# KiCad board sr99-stm32-hotswap.kicad_pcb (continued)
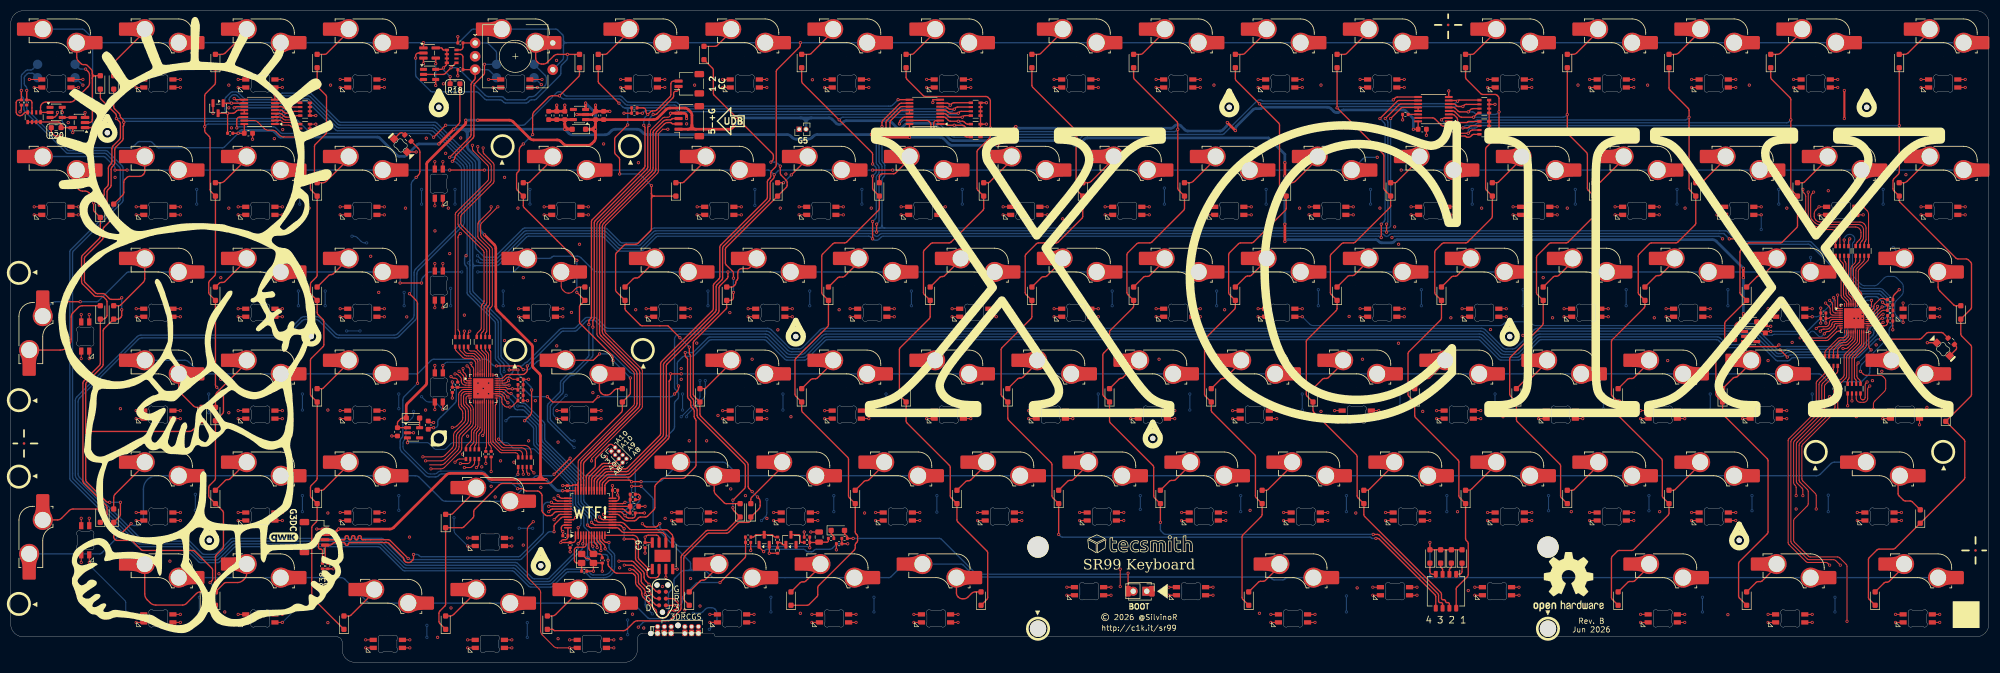
[diagram p0: board, top side]
## Routing (per net, layer and track width the routed paths; a pad name or vN(x,y) marks a point on that pad's centre or on a via; arc(x,y) is an arc through that point) (continued)
  Bottom w0.2: v1(163.49,47.16) v1(163.49,50.16) ; v1(177.74,88.41) v1(177.74,85.66) ; v1(161.24,12.16) v1(161.24,9.41) ; v1(172.99,28.08) v1(172.99,31.16) ; v1(168.24,69.41) v1(168.24,66.66)
LED13: length 230.3
  Top w0.2: W65.4 v1(141.23,45.56) ; W12.4 v1(141.23,107.47) ; U10.3 85.13,52.21 arc(84.77,52.36) 84.62,52.72 84.62,53.32 arc(84.58,53.51) 84.47,53.68 v1(83.74,54.41) ; W48.4 v1(145.99,64.61) ; W81.4 v1(150.75,26.51) ; W97.4 v1(138.84,7.46) ; W30.4 v1(155.51,83.66)
  In1.Cu w0.4: v1(106.99,59.91) 105.33,61.57 arc(105.17,61.68) 104.97,61.72 87.97,61.72 arc(87.78,61.68) 87.61,61.57 83.89,57.84 arc(83.78,57.68) 83.74,57.48 v1(83.74,54.41) ; v1(149.24,62.16) 149.24,60.21 arc(149.16,59.83) 148.94,59.5 148.08,58.63 arc(147.75,58.41) 147.36,58.34 145.98,58.34 arc(145.6,58.41) 145.27,58.63 141.74,62.16 arc(141.41,62.38) 141.02,62.46 116.96,62.46 arc(116.57,62.38) 116.24,62.16 v1(113.99,59.91)
  In2.Cu w0.4: v1(144.24,47.16) 144.24,46.36 ; 144.24,46.36 144.24,44.76 ; 144.24,46.36 arc(144,45.79) 143.44,45.56 ; v1(141.99,9.41) 141.99,9.08 arc(141.91,8.69) 141.69,8.36 141.08,7.76 arc(140.75,7.53) 140.36,7.46 v1(138.84,7.46) ; v1(141.23,45.56) 143.44,45.56 ; 143.44,45.56 arc(144,45.32) 144.24,44.76 ; v1(149.24,66.66) 149.24,65.41 ; v1(141.23,107.47) 143.05,105.65 arc(143.71,105.21) 144.48,105.05 146.51,105.05 arc(147.28,104.9) 147.94,104.46 158.69,93.71 arc(158.91,93.38) 158.99,92.99 v1(158.99,88.41) ; v1(144.24,50.16) 144.24,62.44 arc(144.31,62.83) 144.54,63.16 v1(145.99,64.61) 148.44,64.61 ; 149.24,63.81 v1(149.24,62.16) ; 149.24,63.81 149.24,65.41 ; 149.24,63.81 arc(149,64.37) 148.44,64.61 ; 148.44,64.61 arc(149,64.84) 149.24,65.41 ; v1(158.99,85.66) 158.99,85.33 arc(158.91,84.94) 158.69,84.61 158.03,83.96 arc(157.7,83.73) 157.31,83.66 v1(155.51,83.66) 149.54,77.68 arc(149.31,77.35) 149.24,76.96 v1(149.24,69.41) ; v1(141.99,12.16) 141.99,16.24 arc(142.06,16.63) 142.29,16.96 148.19,22.86 arc(148.52,23.09) 148.91,23.16 150.24,23.16 150.45,23.38 arc(150.67,23.71) 150.75,24.1 v1(150.75,26.51) 152.41,26.51 arc(152.8,26.58) 153.13,26.81 153.44,27.11 arc(153.66,27.44) 153.74,27.83 v1(153.74,28.16) ; 144.24,44.76 144.24,44.33 arc(144.31,43.94) 144.54,43.61 146.94,41.21 arc(147.27,40.99) 147.66,40.91 149.32,40.91 arc(149.71,40.84) 150.04,40.61 153.44,37.21 arc(153.66,36.88) 153.74,36.49 v1(153.74,31.16) ; v1(106.99,59.91) v1(113.99,59.91)
  Bottom w0.2: v1(144.24,50.16) v1(144.24,47.16) ; v1(149.24,69.41) v1(149.24,66.66) ; v1(153.74,31.16) v1(153.74,28.16) ; v1(141.99,9.41) v1(141.99,12.16) ; v1(158.99,88.41) v1(158.99,85.66)
LED14: length 217
  Top w0.2: 84.16,52.57 84.16,52.93 arc(84.12,53.13) 84.01,53.29 83.54,53.76 arc(83.38,53.87) 83.18,53.91 v1(82.99,53.91) ; 84.16,52.57 84.16,52.75 ; 84.16,52.57 arc(84.39,52.04) 84.93,51.81 U10.4 ; W31.4 v1(136.46,83.66) ; W98.4 v1(112.65,2.69) ; W49.4 v1(126.94,64.61) ; W13.4 v1(122.17,107.47)
  Top w0.254: W82.4 v1(131.7,26.51)
  In1.Cu w0.4: v1(106.99,61.16) 105.84,62.31 arc(105.67,62.42) 105.48,62.46 87.65,62.46 arc(87.45,62.42) 87.29,62.31 83.14,58.16 arc(83.03,58) 82.99,57.8 v1(82.99,53.91) ; v1(124.42,19.23) 122.95,19.23 arc(122.56,19.15) 122.23,18.93 117.01,13.71 arc(116.68,13.49) 116.29,13.41 v1(115.24,13.41)
  In2.Cu w0.4: v1(112.65,2.69) 113.6,2.69 arc(113.99,2.77) 114.32,2.99 114.94,3.61 arc(115.16,3.94) 115.24,4.33 v1(115.24,5.16) ; v1(125.49,50.16) 125.94,50.61 arc(126.16,50.94) 126.24,51.33 126.24,54.99 arc(126.16,55.38) 125.94,55.71 125.29,56.36 arc(125.06,56.69) 124.99,57.08 124.99,58.12 arc(125.06,58.51) 125.29,58.84 126.64,60.19 arc(126.86,60.52) 126.94,60.91 126.94,61.91 ; v1(122.17,107.47) 132.18,97.46 arc(132.51,97.24) 132.9,97.16 135.57,97.16 arc(135.96,97.09) 136.29,96.86 139.44,93.71 arc(139.66,93.38) 139.74,92.99 139.74,89.83 arc(139.66,89.44) 139.44,89.11 139.29,88.96 arc(139.11,88.72) 139.01,88.44 139.01,88.42 v1(139,88.41) ; 126.14,62.83 114.82,62.83 arc(114.44,62.75) 114.11,62.53 112.39,60.81 arc(112.22,60.7) 112.03,60.66 107.7,60.66 arc(107.5,60.7) 107.34,60.81 v1(106.99,61.16) ; 126.14,62.83 arc(126.7,62.59) 126.94,62.03 126.94,61.91 ; 126.14,62.83 arc(126.7,63.06) 126.94,63.63 ; v1(115.24,13.41) v1(115.24,7.91) ; 126.94,61.91 126.94,63.63 ; 126.94,63.63 126.94,63.81 arc(127.17,64.37) 127.74,64.61 ; 127.74,64.61 128.51,64.61 arc(128.9,64.68) 129.23,64.91 129.94,65.61 arc(130.16,65.94) 130.24,66.33 v1(130.24,66.66) ; 127.74,64.61 v1(126.94,64.61) 126.94,63.92 126.94,63.91 ; v1(140.24,26.51) v1(131.7,26.51) v1(124.42,19.23) ; v1(138.99,85.41) 138.99,84.83 arc(138.91,84.44) 138.69,84.11 138.53,83.96 arc(138.2,83.73) 137.81,83.66 v1(136.46,83.66) 130.54,77.73 arc(130.31,77.4) 130.24,77.01 v1(130.24,69.41) ; v1(141.24,30.41) 138.14,33.51 arc(138.03,33.68) 137.99,33.87 137.99,38.96 arc(137.95,39.16) 137.84,39.32 129.65,47.51 arc(129.48,47.62) 129.29,47.66 126.2,47.66 arc(126,47.62) 125.84,47.51 v1(125.49,47.16)
  Bottom w0.2: v1(138.99,85.41) 138.99,88.4 v1(139,88.41) ; v1(115.24,7.91) v1(115.24,5.16) ; v1(125.49,47.16) v1(125.49,50.16) ; v1(141.24,30.41) 141.24,27.93 arc(141.16,27.54) 140.94,27.21 v1(140.24,26.51) ; v1(130.24,69.41) v1(130.24,66.66)
LED15: length 188
  Top w0.2: W99.4 v1(93.6,2.69) ; W83.4 v1(93.6,21.75) ; W32.4 v1(107.89,83.66) ; W66.4 v1(110.27,45.56) ; W14.4 v1(98.36,107.47) ; W50.4 v1(103.12,64.61) ; U10.6 84.59,51.01 arc(84.4,50.97) 84.23,50.86 83.82,50.45 arc(83.71,50.28) 83.67,50.09 83.67,48.2 arc(83.74,47.81) 83.96,47.48 84.14,47.3 arc(84.36,46.97) 84.44,46.58 84.44,45.71 arc(84.36,45.32) 84.14,44.99 83.36,44.21 arc(83.03,43.99) 82.64,43.91 v1(82.49,43.91)
  In2.Cu w0.4: v1(82.49,43.91) 86.19,40.21 arc(86.52,39.99) 86.91,39.91 92.38,39.91 ; 96.99,81.09 96.99,81.08 arc(96.91,80.69) 96.69,80.36 92.29,75.96 arc(92.06,75.63) 91.99,75.24 v1(91.99,69.41) ; 96.99,81.09 96.99,82.64 ; 96.99,81.09 arc(97.21,81.62) 97.74,81.84 ; 98.44,62.78 95.79,62.78 arc(95.4,62.85) 95.08,63.07 92.29,65.86 arc(92.06,66.19) 91.99,66.58 v1(91.99,66.66) ; 98.44,62.78 100.04,62.78 ; 98.44,62.78 arc(99,62.54) 99.24,61.98 ; 93.98,39.91 96.41,39.91 arc(96.71,39.97) 96.97,40.15 100.34,43.52 arc(100.6,43.69) 100.91,43.75 ; 93.98,39.91 92.38,39.91 ; 93.98,39.91 arc(93.42,39.68) 93.18,39.11 ; 100.91,43.75 108.04,43.75 arc(108.43,43.83) 108.76,44.05 v1(110.27,45.56) ; 100.91,43.75 arc(100.6,43.81) 100.34,43.98 99.54,44.79 arc(99.31,45.12) 99.24,45.51 99.24,61.98 ; v1(96.49,4.66) 96.49,4.08 arc(96.41,3.69) 96.19,3.36 95.82,2.99 arc(95.49,2.77) 95.1,2.69 v1(93.6,2.69) ; 92.38,39.91 arc(92.95,39.68) 93.18,39.11 ; v1(107.89,83.66) 106.07,81.84 97.79,81.84 arc(97.22,82.07) 96.99,82.64 ; v1(96.49,7.41) 96.49,14.24 arc(96.41,14.63) 96.19,14.96 93.9,17.25 arc(93.68,17.58) 93.6,17.97 v1(93.6,21.75) 96.44,24.58 arc(96.66,24.91) 96.74,25.3 96.74,31.68 arc(96.68,31.99) 96.5,32.25 93.42,35.33 arc(93.25,35.59) 93.18,35.9 93.18,39.11 ; v1(96.99,88.41) 96.99,90.99 arc(97.06,91.38) 97.29,91.71 98.06,92.49 arc(98.29,92.82) 98.36,93.21 v1(98.36,107.47) ; 100.04,62.78 100.87,62.78 arc(101.26,62.85) 101.59,63.07 v1(103.12,64.61) ; 100.04,62.78 arc(99.47,62.54) 99.24,61.98 ; 96.99,82.64 v1(96.99,85.66) ; 100.01,44.32 arc(100.24,43.75) 100.01,43.18
  Bottom w0.2: v1(96.49,4.66) v1(96.49,7.41) ; v1(96.99,88.41) v1(96.99,85.66) ; v1(91.99,69.41) v1(91.99,66.66)
LED16: length 173.9
  Top w0.2: v1(76.99,38.41) 80.4,38.41 arc(80.79,38.49) 81.12,38.71 82.43,40.02 arc(82.65,40.35) 82.73,40.74 82.73,42.43 arc(82.8,42.82) 83.02,43.15 84.66,44.78 arc(84.88,45.11) 84.95,45.5 84.95,46.79 arc(84.88,47.18) 84.66,47.51 84.27,47.89 arc(84.16,48.06) 84.12,48.25 84.12,49.9 arc(84.16,50.1) 84.27,50.26 84.47,50.46 arc(84.64,50.57) 84.83,50.61 U10.7 ; W100.4 v1(74.55,2.69) ; W67.4 v1(69.79,45.56) ; W15.4 v1(69.79,107.47) ; W84.4 v1(69.79,26.51) ; W33.4 v1(69.79,83.66)
  In2.Cu w0.4: 72.49,44.76 72.49,39.21 ; 72.49,44.76 72.49,46.36 ; 72.49,44.76 arc(72.25,45.32) 71.69,45.56 ; 72.49,39.21 72.49,37.61 ; 72.49,39.21 arc(72.72,38.65) 73.29,38.41 ; v1(72.49,50.16) 72.49,55.49 arc(72.41,55.88) 72.19,56.21 66.75,61.65 arc(66.42,61.87) 66.03,61.95 v1(65.24,61.95) ; 71.69,45.56 v1(69.79,45.56) ; 71.69,45.56 arc(72.25,45.79) 72.49,46.36 ; 72.49,37.61 v1(72.49,31.16) ; 72.49,37.61 arc(72.72,38.18) 73.29,38.41 ; v1(74.55,2.69) 75.85,2.69 arc(76.24,2.77) 76.57,2.99 77.44,3.86 arc(77.66,4.19) 77.74,4.58 v1(77.74,4.66) ; v1(62.74,61.95) 61.12,61.95 arc(60.73,62.03) 60.4,62.25 59.04,63.61 arc(58.81,63.94) 58.74,64.33 v1(58.74,66.66) ; v1(77.74,6.91) 77.74,13.24 arc(77.66,13.63) 77.44,13.96 72.79,18.61 arc(72.56,18.94) 72.49,19.33 72.49,25.71 ; 72.49,27.31 72.49,25.71 ; 72.49,27.31 v1(72.49,28.41) ; 72.49,27.31 arc(72.25,26.74) 71.69,26.51 ; 72.49,25.71 arc(72.25,26.27) 71.69,26.51 ; v1(76.74,88.41) 76.74,100.1 arc(76.66,100.49) 76.44,100.82 v1(69.79,107.47) ; v1(72.49,47.41) 72.49,46.36 ; v1(76.74,85.66) 76.74,85.58 arc(76.66,85.19) 76.44,84.86 75.53,83.96 arc(75.2,83.73) 74.81,83.66 v1(69.79,83.66) 69.79,83.65 64.85,78.71 arc(64.52,78.49) 64.13,78.41 62.41,78.41 arc(62.02,78.34) 61.69,78.11 59.04,75.46 arc(58.81,75.13) 58.74,74.74 v1(58.74,69.41) ; v1(76.99,38.41) 73.29,38.41 ; v1(69.79,26.51) 71.69,26.51
  Bottom w0.2: v1(65.24,61.95) v1(62.74,61.95) ; v1(58.74,69.41) v1(58.74,66.66) ; v1(77.74,6.91) v1(77.74,4.66) ; v1(72.49,31.16) v1(72.49,28.41) ; v1(76.74,85.66) v1(76.74,88.41) ; v1(72.49,50.16) v1(72.49,47.41)
LED17: length 200.4
  Top w0.2: W68.4 v1(50.74,45.56) ; W34.4 v1(50.74,83.66) ; W101.4 v1(50.74,7.46) ; W16.4 v1(50.74,107.47) ; W85.4 v1(50.74,26.51) ; W51.4 v1(69.79,64.61) ; U10.8 85.09,50.21 arc(84.74,50.06) 84.59,49.7 84.59,48.43 arc(84.63,48.24) 84.74,48.08 85.18,47.64 arc(85.4,47.31) 85.47,46.92 85.47,45.28 arc(85.4,44.89) 85.18,44.56 83.54,42.92 arc(83.31,42.59) 83.24,42.2 83.24,40.51 arc(83.16,40.13) 82.94,39.8 81.1,37.96 arc(80.77,37.74) 80.39,37.66 v1(77.49,37.66)
  In1.Cu w0.4: v1(77.49,37.66) 77.08,37.66 arc(76.69,37.74) 76.36,37.96 74.45,39.87 arc(74.12,40.09) 73.73,40.16 72.23,40.16 arc(71.84,40.24) 71.51,40.46 68.85,43.12 arc(68.53,43.34) 68.14,43.42 67.6,43.42 67.6,43.41 57.16,43.41 arc(56.77,43.34) 56.44,43.11 v1(55.74,42.41)
  In2.Cu w0.4: v1(54.49,47.16) 54.49,46.36 ; 54.49,46.36 54.49,44.76 ; 54.49,46.36 arc(54.25,45.79) 53.69,45.56 ; 54.49,43.21 54.49,41.61 ; 54.49,43.21 54.49,44.76 ; 54.49,43.21 arc(54.72,42.65) 55.29,42.41 ; 54.49,41.61 v1(54.49,31.16) ; 54.49,41.61 arc(54.72,42.18) 55.29,42.41 ; v1(53.59,10.31) 54.19,10.91 arc(54.41,11.24) 54.49,11.63 54.49,25.71 ; v1(53.99,85.66) 53.99,84.46 ; 53.99,84.46 53.99,82.86 ; 53.99,84.46 arc(53.75,83.89) 53.19,83.66 ; v1(50.74,26.51) 53.69,26.51 ; 53.69,26.51 arc(54.25,26.74) 54.49,27.31 ; 53.69,26.51 arc(54.25,26.27) 54.49,25.71 ; v1(73.49,66.66) 73.49,66.33 arc(73.41,65.94) 73.19,65.61 72.48,64.91 arc(72.15,64.68) 71.76,64.61 v1(69.79,64.61) 68.26,63.08 arc(67.93,62.86) 67.54,62.78 65.28,62.78 arc(64.89,62.7) 64.56,62.48 54.79,52.71 arc(54.56,52.38) 54.49,51.99 v1(54.49,50.16) ; v1(66.49,78.41) 69.57,78.41 arc(69.96,78.34) 70.29,78.11 73.19,75.21 arc(73.41,74.88) 73.49,74.49 v1(73.49,69.16) ; v1(50.74,107.47) 50.74,106.33 arc(50.66,105.94) 50.44,105.61 50.04,105.21 arc(49.81,104.88) 49.74,104.49 49.74,99.58 arc(49.81,99.19) 50.04,98.86 53.69,95.21 arc(53.91,94.88) 53.99,94.49 v1(53.99,88.41) ; 53.19,83.66 v1(50.74,83.66) ; 53.19,83.66 arc(53.75,83.42) 53.99,82.86 ; 54.49,44.76 arc(54.25,45.32) 53.69,45.56 ; 53.99,82.86 53.99,81.58 arc(54.06,81.19) 54.29,80.86 55.19,79.96 arc(55.52,79.74) 55.91,79.66 v1(63.74,79.66) ; 54.49,25.71 54.49,27.31 ; v1(54.49,28.16) 54.49,27.31 ; v1(50.74,45.56) 53.69,45.56 ; v1(55.74,42.41) 55.29,42.41
  Bottom w0.2: v1(54.49,31.16) v1(54.49,28.16) ; v1(63.74,79.66) 64.07,79.66 arc(64.46,79.59) 64.79,79.36 65.44,78.71 arc(65.77,78.49) 66.16,78.41 v1(66.49,78.41) ; v1(53.59,10.31) v1(50.74,7.46) ; v1(73.49,69.16) v1(73.49,66.66) ; v1(54.49,50.16) v1(54.49,47.16) ; v1(53.99,88.41) v1(53.99,85.66)
LED18: length 219.4
  Top w0.2: W17.4 v1(31.69,107.47) ; 78.24,36.91 80.35,36.91 arc(80.74,36.99) 81.07,37.21 83.44,39.58 arc(83.66,39.91) 83.74,40.3 83.74,41.98 arc(83.81,42.37) 84.04,42.7 85.64,44.3 arc(85.86,44.63) 85.94,45.02 85.94,47.1 arc(85.86,47.49) 85.64,47.82 85.2,48.26 arc(85.09,48.43) 85.05,48.62 85.05,49.41 arc(85.17,49.7) 85.45,49.81 U10.9 ; W86.4 v1(31.69,26.51) ; W35.4 v1(31.69,83.66) ; W52.4 v1(50.74,64.61) ; W102.4 v1(31.69,7.46) ; W69.4 v1(31.69,45.56)
  In1.Cu w0.4: v1(77.99,36.91) 76.79,36.91 arc(76.4,36.99) 76.07,37.21 74.16,39.12 arc(73.83,39.34) 73.44,39.42 71.94,39.42 arc(71.55,39.5) 71.22,39.72 68.55,42.39 arc(68.22,42.61) 67.83,42.69 57.8,42.69 arc(57.41,42.61) 57.08,42.39 56.47,41.78 arc(56.14,41.56) 55.75,41.48 55.75,41.48 arc(55.36,41.56) 55.03,41.78 53.69,43.11 arc(53.36,43.34) 52.97,43.41 39.91,43.41 arc(39.52,43.34) 39.19,43.11 v1(38.99,42.91)
  In2.Cu w0.4: v1(38.99,42.91) 37.79,42.91 ; 37.79,42.91 arc(37.22,43.15) 36.99,43.71 ; 37.79,42.91 arc(37.22,42.68) 36.99,42.11 ; v1(53.74,66.66) 53.74,66.08 arc(53.66,65.69) 53.44,65.36 52.98,64.91 arc(52.65,64.68) 52.26,64.61 v1(50.74,64.61) 46.09,59.96 arc(45.76,59.74) 45.37,59.66 43.41,59.66 arc(43.02,59.59) 42.69,59.36 37.29,53.96 arc(37.06,53.63) 36.99,53.24 v1(36.99,50.16) ; 34.49,27.31 34.49,25.71 ; 34.49,27.31 v1(34.49,28.41) ; 34.49,27.31 arc(34.25,26.74) 33.69,26.51 ; 34.49,25.71 34.49,22.08 arc(34.56,21.69) 34.79,21.36 34.94,21.21 arc(35.16,20.88) 35.24,20.49 v1(35.24,12.16) ; 34.49,25.71 arc(34.25,26.27) 33.69,26.51 ; v1(31.69,107.47) 34.44,104.72 arc(34.66,104.39) 34.74,104 v1(34.74,88.41) ; v1(34.74,85.66) 34.74,84.46 ; 34.74,84.46 34.74,82.86 ; 34.74,84.46 arc(34.5,83.89) 33.94,83.66 ; 36.99,45.86 v1(36.99,46.66) 36.19,46.66 ; 36.99,45.86 36.99,43.71 ; 36.99,45.86 arc(36.75,46.43) 36.19,46.66 ; 36.19,46.66 33.21,46.66 arc(32.82,46.59) 32.49,46.36 v1(31.69,45.56) ; v1(31.69,26.51) 33.69,26.51 ; v1(53.74,69.41) 53.74,74.49 arc(53.66,74.88) 53.44,75.21 50.54,78.11 arc(50.21,78.34) 49.82,78.41 37.41,78.41 arc(37.02,78.49) 36.69,78.71 35.04,80.36 arc(34.81,80.69) 34.74,81.08 34.74,82.86 ; 36.99,43.71 36.99,42.11 ; 36.99,42.11 36.99,35.58 arc(36.91,35.19) 36.69,34.86 34.79,32.96 arc(34.57,32.63) 34.49,32.24 v1(34.49,31.41) ; v1(35.24,9.41) 35.24,8.83 arc(35.16,8.44) 34.94,8.11 34.54,7.71 arc(34.21,7.49) 33.82,7.41 31.73,7.41 v1(31.69,7.46) ; 34.49,31.08 34.49,31.07 ; 34.74,82.86 arc(34.5,83.42) 33.94,83.66 ; v1(31.69,83.66) 33.94,83.66
  Bottom w0.2: v1(53.74,69.41) v1(53.74,66.66) ; v1(34.49,28.41) 34.49,31.03 34.49,31.03 v1(34.49,31.41) ; v1(36.99,50.16) v1(36.99,46.66) ; v1(35.24,12.16) v1(35.24,9.41) ; v1(34.74,88.41) v1(34.74,85.66)
LED19: length 220.8
  Top w0.2: U10.10 85.79,48.53 arc(85.83,48.34) 85.94,48.17 86.1,48.01 arc(86.32,47.68) 86.4,47.29 86.4,44.76 arc(86.32,44.37) 86.1,44.04 84.54,42.47 arc(84.31,42.14) 84.24,41.76 84.24,40.08 arc(84.16,39.69) 83.94,39.36 81.04,36.46 arc(80.71,36.24) 80.32,36.16 v1(78.49,36.16) ; W70.4 v1(14.67,65.02) ; W103.4 v1(14.67,26.92) ; W53.4 v1(31.69,64.61) ; W18.4 v1(12.64,107.47) ; W36.4 v1(12.64,83.66)
  In1.Cu w0.4: v1(78.49,36.16) 76.51,36.16 arc(76.12,36.24) 75.79,36.46 73.83,38.41 arc(73.5,38.63) 73.12,38.71 71.62,38.71 arc(71.24,38.79) 70.91,39.01 68.29,41.62 arc(67.96,41.84) 67.58,41.92 58.14,41.92 arc(57.75,41.84) 57.42,41.62 56.81,41 arc(56.48,40.78) 56.09,40.71 55.41,40.71 arc(55.02,40.78) 54.69,41 53.31,42.39 arc(52.98,42.61) 52.59,42.69 40.93,42.69 arc(40.54,42.61) 40.21,42.39 40.04,42.21 arc(39.71,41.99) 39.32,41.91 v1(14.99,41.91)
  In2.Cu w0.4: v1(14.67,26.92) 14.67,29.02 arc(14.63,29.21) 14.52,29.38 10.39,33.51 arc(10.28,33.68) 10.24,33.87 10.24,41.11 ; 10.24,42.71 10.24,58.35 arc(10.28,58.54) 10.39,58.71 11.52,59.84 arc(11.63,60) 11.67,60.19 11.67,65.36 ; 10.24,42.71 10.24,41.11 ; 10.24,42.71 arc(10.47,42.15) 11.04,41.91 ; 10.24,41.11 arc(10.47,41.68) 11.04,41.91 ; 12.64,83.04 12.64,81.44 ; 12.64,83.04 v1(12.64,83.66) ; 12.64,83.04 arc(12.4,82.48) 11.84,82.24 ; 12.64,81.44 12.64,70.72 arc(12.6,70.53) 12.49,70.36 11.81,69.69 arc(11.7,69.52) 11.67,69.33 11.67,66.96 ; 12.64,81.44 arc(12.4,82.01) 11.84,82.24 ; v1(12.64,107.47) 12.64,97.98 arc(12.56,97.59) 12.34,97.26 6.12,91.05 arc(5.9,90.72) 5.83,90.33 5.83,88.28 arc(5.75,87.89) 5.53,87.56 3.54,85.57 arc(3.31,85.24) 3.24,84.85 3.24,83.97 arc(3.31,83.58) 3.54,83.25 4.24,82.54 arc(4.57,82.32) 4.96,82.24 11.84,82.24 ; v1(31.69,64.61) 30.02,62.94 arc(29.85,62.83) 29.66,62.79 17.12,62.79 arc(16.93,62.83) 16.76,62.94 v1(14.67,65.02) 13.68,66.01 arc(13.52,66.12) 13.32,66.16 12.47,66.16 ; 11.67,66.96 11.67,65.36 ; 11.67,66.96 arc(11.9,66.4) 12.47,66.16 ; 11.67,65.36 arc(11.9,65.93) 12.47,66.16 ; v1(14.99,41.91) 11.04,41.91
LED_CL: length 292.4
  Top w0.254: R39.2 360.97,61.51 arc(360.8,61.62) 360.61,61.66 358.2,61.66 arc(358,61.62) 357.84,61.51 356.89,60.56 arc(356.72,60.45) 356.53,60.41 v1(349.24,60.41) ; v1(125.99,57.91) 125.99,57.31 arc(126.01,57.21) 126.06,57.13 126.35,56.84 arc(126.41,56.76) 126.42,56.66 126.42,49.68 arc(126.46,49.48) 126.57,49.32 126.87,49.02 arc(126.98,48.85) 127.02,48.66 127.02,48.02 arc(127.06,47.82) 127.17,47.66 127.51,47.32 arc(127.62,47.15) 127.66,46.96 127.66,45.94 arc(127.7,45.75) 127.81,45.58 127.85,45.54 arc(127.96,45.38) 128,45.18 128,36.86 arc(127.96,36.67) 127.85,36.5 125.89,34.55 arc(125.73,34.44) 125.53,34.4 121.87,34.4 arc(121.67,34.36) 121.51,34.25 120.47,33.21 arc(120.36,33.04) 120.32,32.85 120.32,28.91 arc(120.28,28.71) 120.17,28.55 118.93,27.31 arc(118.77,27.2) 118.57,27.16 117.6,27.16 arc(117.41,27.12) 117.24,27.01 116.83,26.6 arc(116.67,26.49) 116.47,26.45 115.14,26.45 arc(114.75,26.53) 114.42,26.75 113.65,27.51 arc(113.49,27.62) 113.29,27.66 U1.18
  Bottom w0.254: v1(349.24,60.41) 348.74,60.41 arc(348.55,60.37) 348.38,60.26 345.24,57.12 arc(345.08,57.01) 344.88,56.97 332.95,56.97 arc(332.76,56.93) 332.6,56.82 332.28,56.51 arc(332.12,56.4) 331.93,56.36 330.04,56.36 arc(329.85,56.4) 329.68,56.51 326.45,59.75 arc(326.28,59.86) 326.09,59.9 323.63,59.9 arc(323.43,59.86) 323.27,59.75 323.06,59.55 arc(322.9,59.44) 322.7,59.4 320.71,59.4 arc(320.52,59.44) 320.35,59.55 319.21,60.69 arc(319.04,60.8) 318.85,60.84 285.64,60.84 arc(285.45,60.8) 285.29,60.69 281.76,57.17 arc(281.6,57.06) 281.41,57.02 278.56,57.02 arc(278.36,57.06) 278.2,57.17 274.68,60.69 arc(274.51,60.8) 274.32,60.84 152.31,60.84 arc(152.12,60.8) 151.95,60.69 148.42,57.16 arc(148.25,57.05) 148.06,57.01 145.2,57.01 arc(145,57.05) 144.84,57.16 141.32,60.67 arc(141.16,60.78) 140.96,60.82 130.59,60.82 arc(130.39,60.78) 130.23,60.67 127.62,58.06 arc(127.45,57.95) 127.26,57.91 v1(125.99,57.91)
LED_NL: length 99.6
  Top w0.254: v1(75.99,52.16) 75.99,66.99 arc(75.91,67.38) 75.69,67.71 v1(74.49,68.91) ; U1.42 101.95,28.16 arc(101.75,28.12) 101.59,28.01 101.14,27.56 arc(100.97,27.45) 100.78,27.41 100.2,27.41 arc(100,27.45) 99.84,27.56 99.39,28.01 arc(99.28,28.18) 99.24,28.37 99.24,31.2 arc(99.2,31.4) 99.09,31.56 98.77,31.88 arc(98.61,31.99) 98.42,32.02 96.34,32.02 arc(96.15,32.06) 95.98,32.17 95.85,32.31 arc(95.68,32.42) 95.49,32.46 v1(94.67,32.46) ; R40.2 74.79,97.43 76.13,96.08 arc(76.35,95.75) 76.43,95.36 76.43,91.78 arc(76.35,91.39) 76.13,91.06 v1(75.74,90.66)
  Bottom w0.254: v1(94.67,32.46) 94.67,32.48 93.83,33.32 arc(93.5,33.54) 93.11,33.62 90.08,33.62 arc(89.69,33.7) 89.36,33.92 88.36,34.93 arc(88.03,35.15) 87.64,35.22 80.55,35.22 arc(80.26,35.17) 80.01,35 79.9,34.89 arc(79.65,34.72) 79.36,34.66 78.16,34.66 arc(77.77,34.74) 77.44,34.96 73.04,39.36 arc(72.81,39.69) 72.74,40.08 72.74,41.35 arc(72.8,41.64) 72.96,41.89 73.01,41.94 arc(73.18,42.19) 73.24,42.48 73.24,48.99 arc(73.31,49.38) 73.54,49.71 v1(75.99,52.16) ; v1(75.74,90.66) 75.12,90.05 arc(74.9,89.72) 74.83,89.33 74.83,69.46 arc(74.79,69.27) 74.68,69.1 v1(74.49,68.91)
LED_PWR_EN: length 348.9
  Top w0.2: U11.3 323.55,59.96 ; C38.2 94.73,51.88 R35.2 94.65,50.99 arc(94.49,51.1) 94.29,51.14 v1(93.69,51.14) 92.91,51.14 arc(92.82,51.16) 92.73,51.21 92.61,51.34 arc(92.52,51.39) 92.43,51.41 U10.26 ; U1.2 v1(105.99,25.16) ; v1(349.63,67.32) 349.98,66.96 arc(350.15,66.85) 350.34,66.81 C37.2 350.57,65.84 R33.2 349.77,65.81 arc(349.58,65.77) 349.41,65.66 348.41,64.66 arc(348.24,64.55) 348.05,64.51 U9.26 ; U12.3 74.1,41.1 74.1,41.1
  Top w0.254: v1(330.27,59.33) 330.1,59.17 arc(329.94,59.06) 329.74,59.02 323.85,59.02 U11.3 ; v1(124.74,51.66) 124.74,51.33 arc(124.66,50.94) 124.44,50.61 v1(123.99,50.16) ; v1(109.74,49.66) 108.74,48.66 101.24,48.66 v1(100.24,49.66)
  Bottom w0.2: v1(93.69,51.14) 93.11,51.14 arc(92.92,51.1) 92.76,50.99 91.94,50.17 arc(91.83,50.01) 91.79,49.81 91.79,41.46 ; v1(105.99,25.16) 106.38,25.55 arc(106.49,25.72) 106.53,25.91 106.53,26.77 arc(106.49,26.96) 106.38,27.13 104.61,28.89 arc(104.5,29.06) 104.46,29.25 104.46,32.96 arc(104.43,33.15) 104.32,33.32 97.87,39.76 arc(97.71,39.87) 97.51,39.91 94.2,39.91 arc(94,39.95) 93.84,40.06 92.99,40.91 arc(92.82,41.02) 92.63,41.06 92.19,41.06 ; v1(74.1,41.06) 77.78,41.06 arc(77.97,41.02) 78.14,40.91 79.09,39.96 arc(79.26,39.85) 79.45,39.81 80.93,39.81 arc(81.13,39.85) 81.29,39.96 82.25,40.91 arc(82.41,41.02) 82.61,41.06 91.39,41.06 ; 92.19,41.06 91.39,41.06 ; 92.19,41.06 arc(91.91,41.18) 91.79,41.46 ; 91.39,41.06 arc(91.67,41.18) 91.79,41.46
  Bottom w0.254: v1(109.74,49.66) 123.28,49.66 arc(123.47,49.7) 123.64,49.81 v1(123.99,50.16) ; v1(349.63,67.32) 348.72,68.22 arc(348.56,68.33) 348.36,68.37 346.73,68.37 arc(346.53,68.33) 346.37,68.22 342.71,64.57 arc(342.6,64.4) 342.56,64.21 342.56,61.33 arc(342.49,60.94) 342.27,60.61 340.98,59.33 arc(340.65,59.11) 340.26,59.03 330.78,59.03 arc(330.58,59.07) 330.42,59.18 v1(330.27,59.33) ; 323.84,59.02 v1(323.86,59.02) 323.82,58.98 arc(323.65,58.87) 323.46,58.83 320.55,58.83 arc(320.36,58.87) 320.2,58.98 318.99,60.18 arc(318.83,60.29) 318.64,60.32 285.86,60.32 arc(285.66,60.29) 285.5,60.18 281.98,56.65 arc(281.81,56.54) 281.62,56.5 278.34,56.5 arc(278.15,56.54) 277.98,56.65 274.45,60.18 arc(274.29,60.29) 274.09,60.33 152.53,60.33 arc(152.33,60.29) 152.17,60.18 148.63,56.64 arc(148.46,56.53) 148.27,56.49 144.98,56.49 arc(144.79,56.53) 144.62,56.64 141.11,60.16 arc(140.94,60.27) 140.75,60.31 130.81,60.31 arc(130.61,60.27) 130.45,60.16 127.66,57.37 arc(127.49,57.26) 127.3,57.22 125.83,57.22 arc(125.63,57.18) 125.47,57.07 124.66,56.27 arc(124.55,56.1) 124.51,55.91 124.51,52.1 arc(124.55,51.9) 124.66,51.74 v1(124.74,51.66) ; v1(93.69,51.14) 95.6,51.14 arc(95.8,51.1) 95.96,50.99 96.99,49.96 arc(97.32,49.74) 97.71,49.66 v1(100.24,49.66)
MATRIX_CS: length 381.1
  Top w0.254: v1(160.99,82.41) v1(160.99,79.16) ; v1(95.99,45.16) 97,46.17 arc(97.22,46.5) 97.3,46.89 v1(97.3,50.91) ; v1(110.23,20.89) 110.23,21.7 arc(110.2,21.89) 110.09,22.06 109.64,22.51 arc(109.53,22.67) 109.49,22.87 U1.9 ; U4.10 v1(41.24,104.54) Q1.1 ; U3.10 166.35,104.54 arc(166.15,104.5) 165.99,104.39 162.89,101.29 arc(162.78,101.12) 162.74,100.93 v1(162.74,100.16) ; U2.10 259.32,105.04 arc(259.13,105) 258.96,104.89 v1(255.74,101.66) ; v1(255.99,81.91) v1(255.99,79.41) ; v1(93.11,54.66) v1(94.74,54.66)
  Bottom w0.254: 86.28,74.67 86.28,73.65 ; 86.28,74.67 86.28,93.14 arc(86.25,93.33) 86.14,93.5 79.34,100.29 arc(79.18,100.4) 78.98,100.44 61.46,100.44 arc(61.27,100.47) 61.1,100.58 55.94,105.75 arc(55.77,105.86) 55.58,105.9 50.95,105.9 arc(50.75,105.86) 50.59,105.75 49.68,104.84 arc(49.51,104.73) 49.32,104.69 43.76,104.69 arc(43.57,104.73) 43.4,104.84 42.28,105.97 arc(42.11,106.08) 41.92,106.12 41.65,106.12 arc(41.46,106.08) 41.29,105.97 40.95,105.62 arc(40.83,105.46) 40.8,105.26 40.8,105.18 arc(40.83,104.99) 40.95,104.82 41.23,104.54 v1(41.24,104.54) ; 86.28,74.67 arc(86.43,74.31) 86.79,74.16 ; 86.28,73.65 86.28,69.55 arc(86.32,69.35) 86.43,69.19 91.42,64.19 arc(91.53,64.03) 91.57,63.84 91.57,57.29 arc(91.61,57.09) 91.72,56.93 92.96,55.69 arc(93.07,55.53) 93.11,55.33 v1(93.11,54.66) ; 86.28,73.65 arc(86.43,74.01) 86.79,74.16 ; v1(94.74,54.66) 94.74,54.12 arc(94.78,53.93) 94.89,53.76 97.15,51.5 arc(97.26,51.34) 97.3,51.14 v1(97.3,50.91) ; 86.79,74.16 90.78,74.16 arc(90.97,74.2) 91.14,74.31 96.34,79.51 arc(96.5,79.62) 96.7,79.66 110.35,79.66 arc(110.54,79.62) 110.71,79.51 113.2,77.02 arc(113.36,76.91) 113.56,76.87 117.69,76.87 arc(117.89,76.91) 118.05,77.02 120.54,79.51 arc(120.71,79.62) 120.9,79.66 160.28,79.66 arc(160.47,79.62) 160.64,79.51 v1(160.99,79.16) 161.1,79.05 arc(161.26,78.94) 161.46,78.9 161.76,78.9 arc(161.96,78.94) 162.12,79.05 162.58,79.51 arc(162.75,79.62) 162.94,79.66 255.53,79.66 arc(255.72,79.62) 255.89,79.51 v1(255.99,79.41) ; v1(255.74,101.66) 256.56,100.84 arc(256.67,100.68) 256.71,100.48 256.71,82.84 arc(256.67,82.65) 256.56,82.48 v1(255.99,81.91) ; v1(110.23,20.89) 110.23,21.96 arc(110.2,22.15) 110.09,22.31 107.19,25.21 arc(107.08,25.37) 107.04,25.57 107.04,26.98 arc(107,27.18) 106.89,27.34 105.13,29.11 arc(105.02,29.27) 104.98,29.47 104.98,33.17 arc(104.94,33.36) 104.83,33.53 97.82,40.54 arc(97.71,40.71) 97.67,40.9 97.67,43.67 arc(97.63,43.86) 97.52,44.02 96.53,45.01 arc(96.36,45.12) 96.17,45.16 v1(95.99,45.16) ; v1(162.74,100.16) 162.74,99.86 arc(162.7,99.66) 162.59,99.5 161.82,98.73 arc(161.71,98.56) 161.67,98.37 161.67,93.44 arc(161.71,93.24) 161.82,93.08 162.04,92.85 arc(162.15,92.69) 162.19,92.49 162.19,91.59 arc(162.15,91.39) 162.04,91.23 161.82,91.01 arc(161.71,90.84) 161.67,90.65 161.67,83.3 arc(161.63,83.11) 161.52,82.95 v1(160.99,82.41)
